# Altium PCB PCB1_1.pcbdoc (part 1 of 3) (continued)
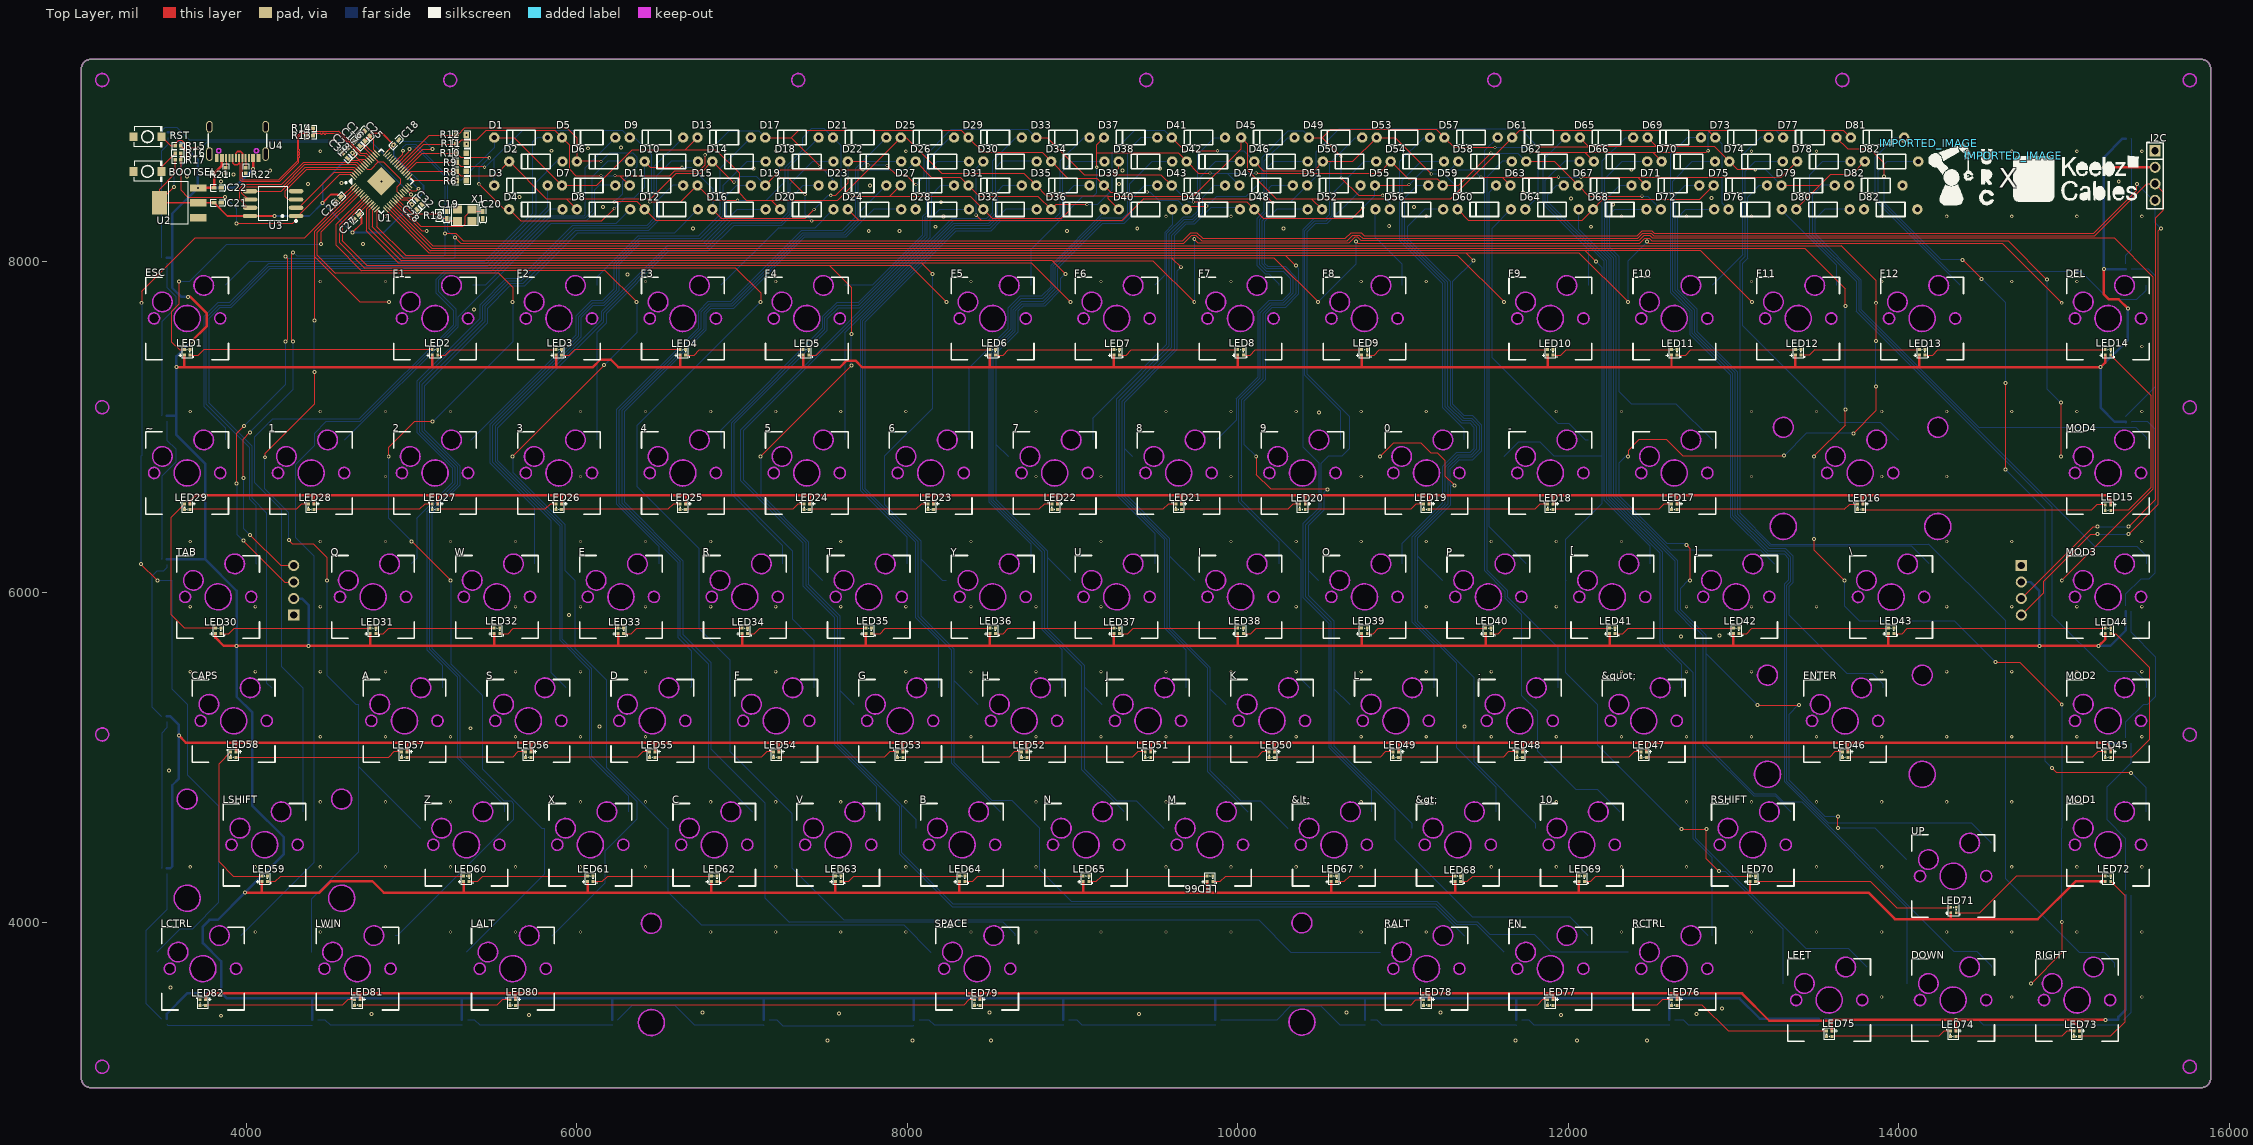
[diagram p0: Top Layer view]
## Components (designator, comment, footprint, x,y, rotation, side; value= is the part's Value field where it differs from the comment) (continued)
E "CHERRY-MX-SW-1U" CHERRY-MX-PCB-1U 6265.9,5970.51 r0 top
ENTER "CHERRY-MX-SW-1U" CHERRY-MX-PCB-1U 13674.55,5220.07 r0 top
ESC "CHERRY-MX-SW-1U" CHERRY-MX-PCB-1U 3640.71,7655.89 r0 top
F "CHERRY-MX-SW-1U" CHERRY-MX-PCB-1U 7205.9,5220.51 r0 top
F1 "CHERRY-MX-SW-1U" CHERRY-MX-PCB-1U 5140.9,7655.51 r0 top
F2 "CHERRY-MX-SW-1U" CHERRY-MX-PCB-1U 5890.9,7655.51 r0 top
F3 "CHERRY-MX-SW-1U" CHERRY-MX-PCB-1U 6640.9,7655.51 r0 top
F4 "CHERRY-MX-SW-1U" CHERRY-MX-PCB-1U 7390.9,7655.51 r0 top
F5 "CHERRY-MX-SW-1U" CHERRY-MX-PCB-1U 8515.91,7655.51 r0 top
F6 "CHERRY-MX-SW-1U" CHERRY-MX-PCB-1U 9265.91,7655.51 r0 top
F7 "CHERRY-MX-SW-1U" CHERRY-MX-PCB-1U 10015.91,7655.51 r0 top
F8 "CHERRY-MX-SW-1U" CHERRY-MX-PCB-1U 10765.91,7655.51 r0 top
F9 "CHERRY-MX-SW-1U" CHERRY-MX-PCB-1U 11890.91,7655.51 r0 top
F10 "CHERRY-MX-SW-1U" CHERRY-MX-PCB-1U 12640.91,7655.51 r0 top
F11 "CHERRY-MX-SW-1U" CHERRY-MX-PCB-1U 13390.91,7655.51 r0 top
F12 "CHERRY-MX-SW-1U" CHERRY-MX-PCB-1U 14140.91,7655.51 r0 top
FN "CHERRY-MX-SW-1U" CHERRY-MX-PCB-1U 11890.91,3720.51 r0 top
G "CHERRY-MX-SW-1U" CHERRY-MX-PCB-1U 7955.9,5220.51 r0 top
H "CHERRY-MX-SW-1U" CHERRY-MX-PCB-1U 8705.91,5220.51 r0 top
I "CHERRY-MX-SW-1U" CHERRY-MX-PCB-1U 10015.91,5970.51 r0 top
I2C "PZ254V-11-04P" HDR-TH_4P-P2.54-V-M 4285.9,6010.51 r90 bottom
I2C "PZ254V-11-04P" HDR-TH_4P-P2.54-V-M 15550.91,8520.51 r270 top
I2C "PZ254V-11-04P" HDR-TH_4P-P2.54-V-M 14740.91,6010.51 r270 bottom
IMPORTED_IMAGE "IMPORTED_IMAGE" IMPORTED_IMAGE 14180.91,8715.51 r0 top
IMPORTED_IMAGE "IMPORTED_IMAGE" IMPORTED_IMAGE 14690.91,8640.51 r0 top
J "CHERRY-MX-SW-1U" CHERRY-MX-PCB-1U 9455.91,5220.51 r0 top
K "CHERRY-MX-SW-1U" CHERRY-MX-PCB-1U 10205.91,5220.51 r0 top
L "CHERRY-MX-SW-1U" CHERRY-MX-PCB-1U 10955.91,5220.51 r0 top
LALT "CHERRY-MX-SW-1U" CHERRY-MX-PCB-1U 5611.57,3720.47 r0 top
LCTRL "CHERRY-MX-SW-1U" CHERRY-MX-PCB-1U 3736.38,3720.31 r0 top
LED1 "XL-1010RGBC-WS2812B" LED-SMD_4P-L1.0-W1.0-TL_XL-1010RGBC-WS2812B 3640.91,7450.51 r180 top
LED2 "XL-1010RGBC-WS2812B" LED-SMD_4P-L1.0-W1.0-TL_XL-1010RGBC-WS2812B 5140.9,7450.51 r180 top
LED3 "XL-1010RGBC-WS2812B" LED-SMD_4P-L1.0-W1.0-TL_XL-1010RGBC-WS2812B 5890.9,7450.51 r180 top
LED4 "XL-1010RGBC-WS2812B" LED-SMD_4P-L1.0-W1.0-TL_XL-1010RGBC-WS2812B 6640.9,7450.51 r180 top
LED5 "XL-1010RGBC-WS2812B" LED-SMD_4P-L1.0-W1.0-TL_XL-1010RGBC-WS2812B 7385.9,7450.51 r180 top
LED6 "XL-1010RGBC-WS2812B" LED-SMD_4P-L1.0-W1.0-TL_XL-1010RGBC-WS2812B 8515.91,7450.51 r180 top
LED7 "XL-1010RGBC-WS2812B" LED-SMD_4P-L1.0-W1.0-TL_XL-1010RGBC-WS2812B 9265.91,7450.51 r180 top
LED8 "XL-1010RGBC-WS2812B" LED-SMD_4P-L1.0-W1.0-TL_XL-1010RGBC-WS2812B 10015.91,7450.51 r180 top
LED9 "XL-1010RGBC-WS2812B" LED-SMD_4P-L1.0-W1.0-TL_XL-1010RGBC-WS2812B 10765.91,7450.51 r180 top
LED10 "XL-1010RGBC-WS2812B" LED-SMD_4P-L1.0-W1.0-TL_XL-1010RGBC-WS2812B 11890.91,7450.51 r180 top
LED11 "XL-1010RGBC-WS2812B" LED-SMD_4P-L1.0-W1.0-TL_XL-1010RGBC-WS2812B 12640.91,7450.51 r180 top
LED12 "XL-1010RGBC-WS2812B" LED-SMD_4P-L1.0-W1.0-TL_XL-1010RGBC-WS2812B 13390.91,7450.51 r180 top
LED13 "XL-1010RGBC-WS2812B" LED-SMD_4P-L1.0-W1.0-TL_XL-1010RGBC-WS2812B 14140.91,7450.51 r180 top
LED14 "XL-1010RGBC-WS2812B" LED-SMD_4P-L1.0-W1.0-TL_XL-1010RGBC-WS2812B 15265.91,7450.51 r180 top
LED15 "XL-1010RGBC-WS2812B" LED-SMD_4P-L1.0-W1.0-TL_XL-1010RGBC-WS2812B 15265.91,6510.51 r0 top
LED16 "XL-1010RGBC-WS2812B" LED-SMD_4P-L1.0-W1.0-TL_XL-1010RGBC-WS2812B 13765.91,6515.51 r0 top
LED17 "XL-1010RGBC-WS2812B" LED-SMD_4P-L1.0-W1.0-TL_XL-1010RGBC-WS2812B 12640.91,6515.51 r0 top
LED18 "XL-1010RGBC-WS2812B" LED-SMD_4P-L1.0-W1.0-TL_XL-1010RGBC-WS2812B 11890.91,6515.51 r0 top
LED19 "XL-1010RGBC-WS2812B" LED-SMD_4P-L1.0-W1.0-TL_XL-1010RGBC-WS2812B 11140.91,6515.51 r0 top
LED20 "XL-1010RGBC-WS2812B" LED-SMD_4P-L1.0-W1.0-TL_XL-1010RGBC-WS2812B 10390.91,6515.51 r0 top
LED21 "XL-1010RGBC-WS2812B" LED-SMD_4P-L1.0-W1.0-TL_XL-1010RGBC-WS2812B 9640.91,6515.51 r0 top
LED22 "XL-1010RGBC-WS2812B" LED-SMD_4P-L1.0-W1.0-TL_XL-1010RGBC-WS2812B 8890.91,6515.51 r0 top
LED23 "XL-1010RGBC-WS2812B" LED-SMD_4P-L1.0-W1.0-TL_XL-1010RGBC-WS2812B 8140.9,6515.51 r0 top
LED24 "XL-1010RGBC-WS2812B" LED-SMD_4P-L1.0-W1.0-TL_XL-1010RGBC-WS2812B 7390.9,6515.51 r0 top
LED25 "XL-1010RGBC-WS2812B" LED-SMD_4P-L1.0-W1.0-TL_XL-1010RGBC-WS2812B 6640.9,6515.51 r0 top
LED26 "XL-1010RGBC-WS2812B" LED-SMD_4P-L1.0-W1.0-TL_XL-1010RGBC-WS2812B 5890.9,6515.51 r0 top
LED27 "XL-1010RGBC-WS2812B" LED-SMD_4P-L1.0-W1.0-TL_XL-1010RGBC-WS2812B 5140.9,6515.51 r0 top
LED28 "XL-1010RGBC-WS2812B" LED-SMD_4P-L1.0-W1.0-TL_XL-1010RGBC-WS2812B 4390.9,6515.51 r0 top
LED29 "XL-1010RGBC-WS2812B" LED-SMD_4P-L1.0-W1.0-TL_XL-1010RGBC-WS2812B 3640.91,6515.51 r0 top
LED30 "XL-1010RGBC-WS2812B" LED-SMD_4P-L1.0-W1.0-TL_XL-1010RGBC-WS2812B 3828.6,5765.51 r180 top
LED31 "XL-1010RGBC-WS2812B" LED-SMD_4P-L1.0-W1.0-TL_XL-1010RGBC-WS2812B 4765.9,5765.51 r180 top
LED32 "XL-1010RGBC-WS2812B" LED-SMD_4P-L1.0-W1.0-TL_XL-1010RGBC-WS2812B 5515.9,5765.51 r180 top
LED33 "XL-1010RGBC-WS2812B" LED-SMD_4P-L1.0-W1.0-TL_XL-1010RGBC-WS2812B 6265.9,5765.51 r180 top
LED34 "XL-1010RGBC-WS2812B" LED-SMD_4P-L1.0-W1.0-TL_XL-1010RGBC-WS2812B 7015.9,5765.51 r180 top
LED35 "XL-1010RGBC-WS2812B" LED-SMD_4P-L1.0-W1.0-TL_XL-1010RGBC-WS2812B 7765.9,5765.51 r180 top
LED36 "XL-1010RGBC-WS2812B" LED-SMD_4P-L1.0-W1.0-TL_XL-1010RGBC-WS2812B 8515.91,5765.51 r180 top
LED37 "XL-1010RGBC-WS2812B" LED-SMD_4P-L1.0-W1.0-TL_XL-1010RGBC-WS2812B 9265.91,5765.51 r180 top
LED38 "XL-1010RGBC-WS2812B" LED-SMD_4P-L1.0-W1.0-TL_XL-1010RGBC-WS2812B 10015.91,5765.51 r180 top
LED39 "XL-1010RGBC-WS2812B" LED-SMD_4P-L1.0-W1.0-TL_XL-1010RGBC-WS2812B 10765.91,5765.51 r180 top
LED40 "XL-1010RGBC-WS2812B" LED-SMD_4P-L1.0-W1.0-TL_XL-1010RGBC-WS2812B 11515.91,5765.51 r180 top
LED41 "XL-1010RGBC-WS2812B" LED-SMD_4P-L1.0-W1.0-TL_XL-1010RGBC-WS2812B 12265.91,5765.51 r180 top
LED42 "XL-1010RGBC-WS2812B" LED-SMD_4P-L1.0-W1.0-TL_XL-1010RGBC-WS2812B 13015.91,5765.51 r180 top
LED43 "XL-1010RGBC-WS2812B" LED-SMD_4P-L1.0-W1.0-TL_XL-1010RGBC-WS2812B 13952.85,5765.51 r180 top
LED44 "XL-1010RGBC-WS2812B" LED-SMD_4P-L1.0-W1.0-TL_XL-1010RGBC-WS2812B 15265.91,5765.51 r180 top
LED45 "XL-1010RGBC-WS2812B" LED-SMD_4P-L1.0-W1.0-TL_XL-1010RGBC-WS2812B 15265.91,5015.51 r0 top
LED46 "XL-1010RGBC-WS2812B" LED-SMD_4P-L1.0-W1.0-TL_XL-1010RGBC-WS2812B 13674.59,5015.51 r0 top
LED47 "XL-1010RGBC-WS2812B" LED-SMD_4P-L1.0-W1.0-TL_XL-1010RGBC-WS2812B 12455.91,5015.51 r0 top
LED48 "XL-1010RGBC-WS2812B" LED-SMD_4P-L1.0-W1.0-TL_XL-1010RGBC-WS2812B 11705.91,5015.51 r0 top
LED49 "XL-1010RGBC-WS2812B" LED-SMD_4P-L1.0-W1.0-TL_XL-1010RGBC-WS2812B 10955.91,5015.51 r0 top
LED50 "XL-1010RGBC-WS2812B" LED-SMD_4P-L1.0-W1.0-TL_XL-1010RGBC-WS2812B 10205.91,5015.51 r0 top
LED51 "XL-1010RGBC-WS2812B" LED-SMD_4P-L1.0-W1.0-TL_XL-1010RGBC-WS2812B 9455.91,5015.51 r0 top
LED52 "XL-1010RGBC-WS2812B" LED-SMD_4P-L1.0-W1.0-TL_XL-1010RGBC-WS2812B 8705.91,5015.51 r0 top
LED53 "XL-1010RGBC-WS2812B" LED-SMD_4P-L1.0-W1.0-TL_XL-1010RGBC-WS2812B 7955.9,5015.51 r0 top
LED54 "XL-1010RGBC-WS2812B" LED-SMD_4P-L1.0-W1.0-TL_XL-1010RGBC-WS2812B 7205.9,5015.51 r0 top
LED55 "XL-1010RGBC-WS2812B" LED-SMD_4P-L1.0-W1.0-TL_XL-1010RGBC-WS2812B 6455.9,5015.51 r0 top
LED56 "XL-1010RGBC-WS2812B" LED-SMD_4P-L1.0-W1.0-TL_XL-1010RGBC-WS2812B 5705.9,5015.51 r0 top
LED57 "XL-1010RGBC-WS2812B" LED-SMD_4P-L1.0-W1.0-TL_XL-1010RGBC-WS2812B 4955.9,5015.51 r0 top
LED58 "XL-1010RGBC-WS2812B" LED-SMD_4P-L1.0-W1.0-TL_XL-1010RGBC-WS2812B 3920.91,5015.51 r0 top
LED59 "XL-1010RGBC-WS2812B" LED-SMD_4P-L1.0-W1.0-TL_XL-1010RGBC-WS2812B 4109.59,4265.51 r180 top
LED60 "XL-1010RGBC-WS2812B" LED-SMD_4P-L1.0-W1.0-TL_XL-1010RGBC-WS2812B 5330.9,4265.51 r180 top
LED61 "XL-1010RGBC-WS2812B" LED-SMD_4P-L1.0-W1.0-TL_XL-1010RGBC-WS2812B 6080.9,4265.51 r180 top
LED62 "XL-1010RGBC-WS2812B" LED-SMD_4P-L1.0-W1.0-TL_XL-1010RGBC-WS2812B 6830.9,4265.51 r180 top
LED63 "XL-1010RGBC-WS2812B" LED-SMD_4P-L1.0-W1.0-TL_XL-1010RGBC-WS2812B 7580.9,4265.51 r180 top
LED64 "XL-1010RGBC-WS2812B" LED-SMD_4P-L1.0-W1.0-TL_XL-1010RGBC-WS2812B 8330.91,4265.51 r180 top
LED65 "XL-1010RGBC-WS2812B" LED-SMD_4P-L1.0-W1.0-TL_XL-1010RGBC-WS2812B 9080.91,4265.51 r180 top
LED66 "XL-1010RGBC-WS2812B" LED-SMD_4P-L1.0-W1.0-TL_XL-1010RGBC-WS2812B 9830.91,4265.51 r180 top
LED67 "XL-1010RGBC-WS2812B" LED-SMD_4P-L1.0-W1.0-TL_XL-1010RGBC-WS2812B 10580.91,4265.51 r180 top
LED68 "XL-1010RGBC-WS2812B" LED-SMD_4P-L1.0-W1.0-TL_XL-1010RGBC-WS2812B 11330.91,4265.51 r180 top
LED69 "XL-1010RGBC-WS2812B" LED-SMD_4P-L1.0-W1.0-TL_XL-1010RGBC-WS2812B 12080.91,4265.51 r180 top
LED70 "XL-1010RGBC-WS2812B" LED-SMD_4P-L1.0-W1.0-TL_XL-1010RGBC-WS2812B 13115.91,4265.51 r180 top
LED71 "XL-1010RGBC-WS2812B" LED-SMD_4P-L1.0-W1.0-TL_XL-1010RGBC-WS2812B 14330.91,4075.51 r180 top
LED72 "XL-1010RGBC-WS2812B" LED-SMD_4P-L1.0-W1.0-TL_XL-1010RGBC-WS2812B 15265.91,4265.51 r180 top
LED73 "XL-1010RGBC-WS2812B" LED-SMD_4P-L1.0-W1.0-TL_XL-1010RGBC-WS2812B 15075.91,3325.51 r0 top
LED74 "XL-1010RGBC-WS2812B" LED-SMD_4P-L1.0-W1.0-TL_XL-1010RGBC-WS2812B 14328.45,3325.51 r0 top
LED75 "XL-1010RGBC-WS2812B" LED-SMD_4P-L1.0-W1.0-TL_XL-1010RGBC-WS2812B 13578.62,3325.51 r0 top
LED76 "XL-1010RGBC-WS2812B" LED-SMD_4P-L1.0-W1.0-TL_XL-1010RGBC-WS2812B 12640.91,3515.51 r0 top
LED77 "XL-1010RGBC-WS2812B" LED-SMD_4P-L1.0-W1.0-TL_XL-1010RGBC-WS2812B 11890.91,3515.51 r0 top
LED78 "XL-1010RGBC-WS2812B" LED-SMD_4P-L1.0-W1.0-TL_XL-1010RGBC-WS2812B 11140.91,3515.51 r0 top
LED79 "XL-1010RGBC-WS2812B" LED-SMD_4P-L1.0-W1.0-TL_XL-1010RGBC-WS2812B 8422.15,3515.51 r0 top
LED80 "XL-1010RGBC-WS2812B" LED-SMD_4P-L1.0-W1.0-TL_XL-1010RGBC-WS2812B 5610.9,3515.51 r0 top
LED81 "XL-1010RGBC-WS2812B" LED-SMD_4P-L1.0-W1.0-TL_XL-1010RGBC-WS2812B 4670.9,3515.51 r0 top
LED82 "XL-1010RGBC-WS2812B" LED-SMD_4P-L1.0-W1.0-TL_XL-1010RGBC-WS2812B 3735.91,3515.51 r0 top
LED83 "XL-1010RGBC-WS2812B" LED-SMD_4P-L1.0-W1.0-TL_XL-1010RGBC-WS2812B 3505.91,8765.51 r90 bottom
LED84 "XL-1010RGBC-WS2812B" LED-SMD_4P-L1.0-W1.0-TL_XL-1010RGBC-WS2812B 3500.91,8005.51 r90 bottom
LED85 "XL-1010RGBC-WS2812B" LED-SMD_4P-L1.0-W1.0-TL_XL-1010RGBC-WS2812B 3500.91,7050.51 r90 bottom
LED86 "XL-1010RGBC-WS2812B" LED-SMD_4P-L1.0-W1.0-TL_XL-1010RGBC-WS2812B 3500.91,6180.51 r90 bottom
LED87 "XL-1010RGBC-WS2812B" LED-SMD_4P-L1.0-W1.0-TL_XL-1010RGBC-WS2812B 3500.91,5230.51 r90 bottom
LED88 "XL-1010RGBC-WS2812B" LED-SMD_4P-L1.0-W1.0-TL_XL-1010RGBC-WS2812B 3500.91,4310.51 r90 bottom
LED89 "XL-1010RGBC-WS2812B" LED-SMD_4P-L1.0-W1.0-TL_XL-1010RGBC-WS2812B 3500.91,3400.51 r90 bottom
LED90 "XL-1010RGBC-WS2812B" LED-SMD_4P-L1.0-W1.0-TL_XL-1010RGBC-WS2812B 4415.9,3395.51 r180 bottom
LED91 "XL-1010RGBC-WS2812B" LED-SMD_4P-L1.0-W1.0-TL_XL-1010RGBC-WS2812B 5320.9,3395.51 r180 bottom
LED92 "XL-1010RGBC-WS2812B" LED-SMD_4P-L1.0-W1.0-TL_XL-1010RGBC-WS2812B 6230.9,3395.51 r180 bottom
LED93 "XL-1010RGBC-WS2812B" LED-SMD_4P-L1.0-W1.0-TL_XL-1010RGBC-WS2812B 7145.9,3395.51 r180 bottom
LED94 "XL-1010RGBC-WS2812B" LED-SMD_4P-L1.0-W1.0-TL_XL-1010RGBC-WS2812B 8055.9,3395.51 r180 bottom
LED95 "XL-1010RGBC-WS2812B" LED-SMD_4P-L1.0-W1.0-TL_XL-1010RGBC-WS2812B 8960.91,3395.51 r180 bottom
LED96 "XL-1010RGBC-WS2812B" LED-SMD_4P-L1.0-W1.0-TL_XL-1010RGBC-WS2812B 9880.91,3395.51 r180 bottom
LED97 "XL-1010RGBC-WS2812B" LED-SMD_4P-L1.0-W1.0-TL_XL-1010RGBC-WS2812B 10785.91,3395.51 r180 bottom
LED98 "XL-1010RGBC-WS2812B" LED-SMD_4P-L1.0-W1.0-TL_XL-1010RGBC-WS2812B 11700.91,3395.51 r180 bottom
LED99 "XL-1010RGBC-WS2812B" LED-SMD_4P-L1.0-W1.0-TL_XL-1010RGBC-WS2812B 12627.89,3395.51 r180 bottom
LED100 "XL-1010RGBC-WS2812B" LED-SMD_4P-L1.0-W1.0-TL_XL-1010RGBC-WS2812B 13532.89,3400.51 r180 bottom
LED101 "XL-1010RGBC-WS2812B" LED-SMD_4P-L1.0-W1.0-TL_XL-1010RGBC-WS2812B 14423.92,3395.51 r180 bottom
LED102 "XL-1010RGBC-WS2812B" LED-SMD_4P-L1.0-W1.0-TL_XL-1010RGBC-WS2812B 15345.91,3395.51 r180 bottom
LED103 "XL-1010RGBC-WS2812B" LED-SMD_4P-L1.0-W1.0-TL_XL-1010RGBC-WS2812B 15390.91,4180.51 r270 bottom
LED104 "XL-1010RGBC-WS2812B" LED-SMD_4P-L1.0-W1.0-TL_XL-1010RGBC-WS2812B 15390.91,5100.51 r270 bottom
LED105 "XL-1010RGBC-WS2812B" LED-SMD_4P-L1.0-W1.0-TL_XL-1010RGBC-WS2812B 15390.91,5900.51 r270 bottom
LED106 "XL-1010RGBC-WS2812B" LED-SMD_4P-L1.0-W1.0-TL_XL-1010RGBC-WS2812B 15390.91,7045.51 r270 bottom
LED107 "XL-1010RGBC-WS2812B" LED-SMD_4P-L1.0-W1.0-TL_XL-1010RGBC-WS2812B 15390.91,7970.51 r270 bottom
LED108 "XL-1010RGBC-WS2812B" LED-SMD_4P-L1.0-W1.0-TL_XL-1010RGBC-WS2812B 15390.91,8760.51 r270 bottom
LEFT "CHERRY-MX-SW-1U" CHERRY-MX-PCB-1U 13578.48,3530.71 r0 top
LSHIFT "CHERRY-MX-SW-1U" CHERRY-MX-PCB-1U 4109.6,4470.47 r0 top
LWIN "CHERRY-MX-SW-1U" CHERRY-MX-PCB-1U 4671.81,3720.47 r0 top
M "CHERRY-MX-SW-1U" CHERRY-MX-PCB-1U 9830.91,4470.51 r0 top
MOD1 "CHERRY-MX-SW-1U" CHERRY-MX-PCB-1U 15265.91,4470.51 r0 top
MOD2 "CHERRY-MX-SW-1U" CHERRY-MX-PCB-1U 15265.91,5220.51 r0 top
MOD3 "CHERRY-MX-SW-1U" CHERRY-MX-PCB-1U 15265.91,5970.51 r0 top
MOD4 "CHERRY-MX-SW-1U" CHERRY-MX-PCB-1U 15265.91,6720.51 r0 top
N "CHERRY-MX-SW-1U" CHERRY-MX-PCB-1U 9080.91,4470.51 r0 top
O "CHERRY-MX-SW-1U" CHERRY-MX-PCB-1U 10765.91,5970.51 r0 top
P "CHERRY-MX-SW-1U" CHERRY-MX-PCB-1U 11515.91,5970.51 r0 top
Q "CHERRY-MX-SW-1U" CHERRY-MX-PCB-1U 4765.9,5970.51 r0 top
R "CHERRY-MX-SW-1U" CHERRY-MX-PCB-1U 7015.9,5970.51 r0 top
R6 "RC0603FR-0710KL" R0603 5300.9,8490.51 r180 top
R8 "RC0603FR-0710KL" R0603 5300.9,8545.51 r180 top
R9 "RC0603FR-0710KL" R0603 5300.9,8600.51 r180 top
R10 "RC0603FR-0710KL" R0603 5300.9,8655.51 r180 top
R11 "RC0603FR-0710KL" R0603 5300.9,8710.51 r180 top
R12 "RC0603FR-0710KL" R0603 5300.9,8765.51 r180 top
R13 "0402WGF220JTCE" R0402 4385.9,8760.51 r180 top
R14 "0402WGF220JTCE" R0402 4385.9,8805.51 r180 top
R15 "0402WGF1001TCE" R0402 3585.91,8700.51 r180 top
R16 "0402WGF1001TCE" R0402 3585.91,8655.51 r0 top
R17 "0402WGF1002TCE" R0402 3585.91,8615.51 r180 top
R18 "0402WGF1001TCE" R0402 5165.9,8280.51 r270 top
R21 "0402WGF5101TCE" R0402 3875.91,8550.51 r90 top
R22 "0402WGF5101TCE" R0402 3995.91,8550.51 r90 top
RALT "CHERRY-MX-SW-1U" CHERRY-MX-PCB-1U 11140.91,3720.51 r0 top
RCTRL "CHERRY-MX-SW-1U" CHERRY-MX-PCB-1U 12640.91,3720.51 r0 top
RIGHT "CHERRY-MX-SW-1U" CHERRY-MX-PCB-1U 15078.48,3530.71 r0 top
RSHIFT "CHERRY-MX-SW-1U" CHERRY-MX-PCB-1U 13115.91,4470.51 r0 top
RST "TS-1088-AR02016" SW-SMD_L3.9-W3.0-P4.45 3400.91,8755.51 r0 top
S "CHERRY-MX-SW-1U" CHERRY-MX-PCB-1U 5705.9,5220.51 r0 top
SPACE "CHERRY-MX-SW-1U" CHERRY-MX-PCB-1U 8422.19,3720.47 r0 top
SW1 "SW-5" SW-SMD_KAILH-SOCKET_C9900019772 3897.4,5370.51 r0 bottom
SW2 "SW-5" SW-SMD_KAILH-SOCKET_C9900019772 3615.91,7805.51 r0 bottom
SW3 "SW-5" SW-SMD_KAILH-SOCKET_C9900019772 5115.9,7805.51 r0 bottom
SW4 "SW-5" SW-SMD_KAILH-SOCKET_C9900019772 5865.9,7805.51 r0 bottom
SW5 "SW-5" SW-SMD_KAILH-SOCKET_C9900019772 6615.9,7805.51 r0 bottom
SW6 "SW-5" SW-SMD_KAILH-SOCKET_C9900019772 7365.9,7805.51 r0 bottom
SW7 "SW-5" SW-SMD_KAILH-SOCKET_C9900019772 8490.91,7805.51 r0 bottom
SW8 "SW-5" SW-SMD_KAILH-SOCKET_C9900019772 9240.91,7805.51 r0 bottom
SW9 "SW-5" SW-SMD_KAILH-SOCKET_C9900019772 9990.91,7805.51 r0 bottom
SW10 "SW-5" SW-SMD_KAILH-SOCKET_C9900019772 10740.91,7805.51 r0 bottom
SW11 "SW-5" SW-SMD_KAILH-SOCKET_C9900019772 11865.91,7805.51 r0 bottom
SW12 "SW-5" SW-SMD_KAILH-SOCKET_C9900019772 12615.91,7805.51 r0 bottom
SW13 "SW-5" SW-SMD_KAILH-SOCKET_C9900019772 13365.91,7805.51 r0 bottom
SW14 "SW-5" SW-SMD_KAILH-SOCKET_C9900019772 14115.91,7805.51 r0 bottom
SW15 "SW-5" SW-SMD_KAILH-SOCKET_C9900019772 3615.91,6870.51 r0 bottom
SW16 "SW-5" SW-SMD_KAILH-SOCKET_C9900019772 4365.9,6870.51 r0 bottom
SW17 "SW-5" SW-SMD_KAILH-SOCKET_C9900019772 5115.9,6870.51 r0 bottom
SW18 "SW-5" SW-SMD_KAILH-SOCKET_C9900019772 5865.9,6870.51 r0 bottom
SW19 "SW-5" SW-SMD_KAILH-SOCKET_C9900019772 6615.9,6870.51 r0 bottom
SW20 "SW-5" SW-SMD_KAILH-SOCKET_C9900019772 7365.9,6870.51 r0 bottom
SW21 "SW-5" SW-SMD_KAILH-SOCKET_C9900019772 8115.9,6870.51 r0 bottom
SW22 "SW-5" SW-SMD_KAILH-SOCKET_C9900019772 8865.91,6870.51 r0 bottom
SW23 "SW-5" SW-SMD_KAILH-SOCKET_C9900019772 9615.91,6870.51 r0 bottom
SW24 "SW-5" SW-SMD_KAILH-SOCKET_C9900019772 10365.91,6870.51 r0 bottom
SW25 "SW-5" SW-SMD_KAILH-SOCKET_C9900019772 11115.91,6870.51 r0 bottom
SW26 "SW-5" SW-SMD_KAILH-SOCKET_C9900019772 11865.91,6870.51 r0 bottom
SW27 "SW-5" SW-SMD_KAILH-SOCKET_C9900019772 12615.91,6870.51 r0 bottom
SW28 "SW-5" SW-SMD_KAILH-SOCKET_C9900019772 13740.91,6870.51 r0 bottom
SW29 "SW-5" SW-SMD_KAILH-SOCKET_C9900019772 3803.31,6120.51 r0 bottom
SW30 "SW-5" SW-SMD_KAILH-SOCKET_C9900019772 4740.9,6120.51 r0 bottom
SW31 "SW-5" SW-SMD_KAILH-SOCKET_C9900019772 5490.9,6120.51 r0 bottom
SW32 "SW-5" SW-SMD_KAILH-SOCKET_C9900019772 6240.9,6120.51 r0 bottom
SW33 "SW-5" SW-SMD_KAILH-SOCKET_C9900019772 6990.9,6120.51 r0 bottom
SW34 "SW-5" SW-SMD_KAILH-SOCKET_C9900019772 7740.9,6120.51 r0 bottom
SW35 "SW-5" SW-SMD_KAILH-SOCKET_C9900019772 8490.91,6120.51 r0 bottom
SW36 "SW-5" SW-SMD_KAILH-SOCKET_C9900019772 9240.91,6120.51 r0 bottom
SW37 "SW-5" SW-SMD_KAILH-SOCKET_C9900019772 9990.91,6120.51 r0 bottom
SW38 "SW-5" SW-SMD_KAILH-SOCKET_C9900019772 10740.91,6120.51 r0 bottom
SW39 "SW-5" SW-SMD_KAILH-SOCKET_C9900019772 11490.91,6120.51 r0 bottom
SW40 "SW-5" SW-SMD_KAILH-SOCKET_C9900019772 12240.91,6120.51 r0 bottom
SW41 "SW-5" SW-SMD_KAILH-SOCKET_C9900019772 12990.91,6120.51 r0 bottom
SW42 "SW-5" SW-SMD_KAILH-SOCKET_C9900019772 13928.11,6120.08 r0 bottom
SW43 "SW-5" SW-SMD_KAILH-SOCKET_C9900019772 4930.9,5370.51 r0 bottom
SW44 "SW-5" SW-SMD_KAILH-SOCKET_C9900019772 5680.9,5370.51 r0 bottom
SW45 "SW-5" SW-SMD_KAILH-SOCKET_C9900019772 6430.9,5370.51 r0 bottom
SW46 "SW-5" SW-SMD_KAILH-SOCKET_C9900019772 7180.9,5370.51 r0 bottom
SW47 "SW-5" SW-SMD_KAILH-SOCKET_C9900019772 7930.9,5370.51 r0 bottom
SW48 "SW-5" SW-SMD_KAILH-SOCKET_C9900019772 8680.91,5370.51 r0 bottom
SW49 "SW-5" SW-SMD_KAILH-SOCKET_C9900019772 9430.91,5370.51 r0 bottom
SW50 "SW-5" SW-SMD_KAILH-SOCKET_C9900019772 10180.91,5370.51 r0 bottom
SW51 "SW-5" SW-SMD_KAILH-SOCKET_C9900019772 10930.91,5370.51 r0 bottom
SW52 "SW-5" SW-SMD_KAILH-SOCKET_C9900019772 11680.91,5370.51 r0 bottom
SW53 "SW-5" SW-SMD_KAILH-SOCKET_C9900019772 12430.91,5370.51 r0 bottom
SW54 "SW-5" SW-SMD_KAILH-SOCKET_C9900019772 13649.43,5369.77 r0 bottom
SW55 "SW-5" SW-SMD_KAILH-SOCKET_C9900019772 15240.91,5370.51 r0 bottom
SW56 "SW-5" SW-SMD_KAILH-SOCKET_C9900019772 4084.57,4620.51 r0 bottom
SW57 "SW-5" SW-SMD_KAILH-SOCKET_C9900019772 5305.9,4620.51 r0 bottom
SW58 "SW-5" SW-SMD_KAILH-SOCKET_C9900019772 6055.9,4620.51 r0 bottom
SW59 "SW-5" SW-SMD_KAILH-SOCKET_C9900019772 6805.9,4620.51 r0 bottom
SW60 "SW-5" SW-SMD_KAILH-SOCKET_C9900019772 7555.9,4620.51 r0 bottom
SW61 "SW-5" SW-SMD_KAILH-SOCKET_C9900019772 8305.91,4620.51 r0 bottom
SW62 "SW-5" SW-SMD_KAILH-SOCKET_C9900019772 9055.91,4620.51 r0 bottom
SW63 "SW-5" SW-SMD_KAILH-SOCKET_C9900019772 9805.91,4620.51 r0 bottom
SW64 "SW-5" SW-SMD_KAILH-SOCKET_C9900019772 10555.91,4620.51 r0 bottom
SW65 "SW-5" SW-SMD_KAILH-SOCKET_C9900019772 11305.91,4620.51 r0 bottom
SW66 "SW-5" SW-SMD_KAILH-SOCKET_C9900019772 12055.91,4620.51 r0 bottom
SW67 "SW-5" SW-SMD_KAILH-SOCKET_C9900019772 13090.91,4620.51 r0 bottom
SW68 "SW-5" SW-SMD_KAILH-SOCKET_C9900019772 14303.47,4430.51 r0 bottom
SW69 "SW-5" SW-SMD_KAILH-SOCKET_C9900019772 15240.91,4620.51 r0 bottom
SW70 "SW-5" SW-SMD_KAILH-SOCKET_C9900019772 3710.91,3870.51 r0 bottom
SW71 "SW-5" SW-SMD_KAILH-SOCKET_C9900019772 4645.9,3870.51 r0 bottom
SW72 "SW-5" SW-SMD_KAILH-SOCKET_C9900019772 5585.9,3870.51 r0 bottom
SW73 "SW-5" SW-SMD_KAILH-SOCKET_C9900019772 8397.1,3870.51 r0 bottom
SW74 "SW-5" SW-SMD_KAILH-SOCKET_C9900019772 11115.91,3870.51 r0 bottom
SW75 "SW-5" SW-SMD_KAILH-SOCKET_C9900019772 11865.91,3870.51 r0 bottom
SW76 "SW-5" SW-SMD_KAILH-SOCKET_C9900019772 12615.91,3870.51 r0 bottom
SW77 "SW-5" SW-SMD_KAILH-SOCKET_C9900019772 15240.91,6120.51 r0 bottom
SW78 "SW-5" SW-SMD_KAILH-SOCKET_C9900019772 15240.91,6870.51 r0 bottom
SW79 "SW-5" SW-SMD_KAILH-SOCKET_C9900019772 15240.91,7805.51 r0 bottom
SW80 "SW-5" SW-SMD_KAILH-SOCKET_C9900019772 14303.3,3680.51 r0 bottom
SW81 "SW-5" SW-SMD_KAILH-SOCKET_C9900019772 15053.21,3680.51 r0 bottom
SW82 "SW-5" SW-SMD_KAILH-SOCKET_C9900019772 13553.21,3680.51 r0 bottom
T "CHERRY-MX-SW-1U" CHERRY-MX-PCB-1U 7765.9,5970.51 r0 top
TAB "CHERRY-MX-SW-1U" CHERRY-MX-PCB-1U 3828.5,5970.47 r0 top
U "CHERRY-MX-SW-1U" CHERRY-MX-PCB-1U 9265.91,5970.51 r0 top
U1 "RP2040_C2040" LQFN-56_L7.0-W7.0-P0.4-EP 4815.91,8485.51 r45 top
U2 "AMS1117-3.3_C6186" SOT-223-3_L6.5-W3.4-P2.30-LS7.0-BR 3590.91,8355.51 r0 top
U3 "W25Q128JVSIQ" SOIC-8_L5.3-W5.3-P1.27-LS8.0-BL 4160.9,8350.51 r90 top
U4 "GT-USB-7010ASV" USB-C-SMD_G-SWITCH_GT-USB-7010ASV 3945.91,8720.51 r180 top
UP "CHERRY-MX-SW-1U" CHERRY-MX-PCB-1U 14328.48,4280.7 r0 top
V "CHERRY-MX-SW-1U" CHERRY-MX-PCB-1U 7580.9,4470.51 r0 top
W "CHERRY-MX-SW-1U" CHERRY-MX-PCB-1U 5515.9,5970.51 r0 top
X "CHERRY-MX-SW-1U" CHERRY-MX-PCB-1U 6080.9,4470.51 r0 top
X1 "X322512MSB4SI" OSC-SMD_4P-L3.2-W2.5-BL 5320.9,8280.51 r180 top
Y "CHERRY-MX-SW-1U" CHERRY-MX-PCB-1U 8515.91,5970.51 r0 top
Z "CHERRY-MX-SW-1U" CHERRY-MX-PCB-1U 5330.9,4470.51 r0 top
~ "CHERRY-MX-SW-1U" CHERRY-MX-PCB-1U 3640.91,6720.51 r0 top
? "CHERRY-MX-SW-1U" CHERRY-MX-PCB-1U 12640.91,6720.51 r0 top

## Footprints (in the part's own frame and the unit in brackets; to place one, negate y for a bottom-side part, rotate by r counter-clockwise, add the part's x,y. Pads: shape width x height; smd on the part's side, far side on the other; paste and mask are expansions set on the pad)
C0402 [mm]
  rect 0.79x0.54 smd: 1(-0.545,0) 2(0.545,0)
  silkscreen extent -1.17,-0.5 1.17,0.5
CHERRY-MX-PCB-1U [mil]
  Board Outline Layer circle w1: c-200,0 r33.5
  Board Outline Layer circle w1: c200,0 r33.5
  Board Outline Layer circle w10: c-200,0 r33.5
  Board Outline Layer circle w10: c200,0 r33.5
  Multi-Layer board cut-out: -166.5,0 -171.12,16.58 -183.37,28.67 -200,33.09 -216.63,28.67 -228.87,16.58 -233.49,0 -233.5,0 -228.87,-16.58 -216.63,-28.67 -200,-33.09 -183.37,-28.67 -171.12,-16.58 -166.5,0
  Multi-Layer board cut-out: 233.5,0 228.88,16.58 216.63,28.67 200,33.09 183.37,28.67 171.13,16.58 166.51,0 166.5,0 171.13,-16.58 183.37,-28.67 200,-33.09 216.63,-28.67 228.88,-16.58 233.5,0
  silkscreen extent -250,-250 250,250
DO-35_BD2.0-L4.2-P8.20-D0.5-RD [mm]
  round 1.6 hole 0.8: 1(-4.1,0) 2(4.1,0)
  silkscreen extent -2.2,-1.1 2.2,1.1
HDR-TH_4P-P2.54-V-M [mm]
  rect 1.7x1.7 hole 1.1: 1(-3.81,0)
  round 1.7 hole 1.1: 2(-1.27,0) 3(1.27,0) 4(3.81,0)
  silkscreen extent -5.08,-1.27 5.08,1.27
IMPORTED_IMAGE [mil]
  silkscreen extent 0,-375 394,0
LED-SMD_4P-L1.0-W1.0-TL_XL-1010RGBC-WS2812B [mm]
  rect 0.45x0.45 smd: 1(-0.425,0.425) 2(0.425,0.425) 3(-0.425,-0.425) 4(0.425,-0.425)
  silkscreen extent -1.05,-0.85 1.27,0.85
LQFN-56_L7.0-W7.0-P0.4-EP [mm]
  rect 1.1x0.2 smd: 1(-3.55,2.6) 2(-3.55,2.2) 3(-3.55,1.8) 4(-3.55,1.4) 5(-3.55,1) 6(-3.55,0.6) 7(-3.55,0.2) 8(-3.55,-0.2) 9(-3.55,-0.6) 10(-3.55,-1) 11(-3.55,-1.4) 12(-3.55,-1.8) 13(-3.55,-2.2) 14(-3.55,-2.6) 29(3.55,-2.6) 30(3.55,-2.2) 31(3.55,-1.8) 32(3.55,-1.4) 33(3.55,-1) 34(3.55,-0.6) 35(3.55,-0.2) 36(3.55,0.2) 37(3.55,0.6) 38(3.55,1) 39(3.55,1.4) 40(3.55,1.8) 41(3.55,2.2) 42(3.55,2.6)
  rect 0.2x1.1 smd: 15(-2.6,-3.55) 16(-2.2,-3.55) 17(-1.8,-3.55) 18(-1.4,-3.55) 19(-1,-3.55) 20(-0.6,-3.55) 21(-0.2,-3.55) 22(0.2,-3.55) 23(0.6,-3.55) 24(1,-3.55) 25(1.4,-3.55) 26(1.8,-3.55) 27(2.2,-3.55) 28(2.6,-3.55) 43(2.6,3.55) 44(2.2,3.55) 45(1.8,3.55) 46(1.4,3.55) 47(1,3.55) 48(0.6,3.55) 49(0.2,3.55) 50(-0.2,3.55) 51(-0.6,3.55) 52(-1,3.55) 53(-1.4,3.55) 54(-1.8,3.55) 55(-2.2,3.55) 56(-2.6,3.55)
  rect 3.1x3.1 smd: 57(0,0)
  silkscreen extent -4.13,-3.5 3.5,3.83
OSC-SMD_4P-L3.2-W2.5-BL [mm]
  rect 1.4x1.2 smd: 1(-1.1,-0.875) 2(1.1,-0.875) 3(1.1,0.875) 4(-1.1,0.875)
  silkscreen extent -2.29,-1.9 2.03,1.65
R0402 [mm]
  rect 0.566x0.54 smd: 1(-0.433,0) 2(0.433,0)
  silkscreen extent -0.94,-0.5 0.94,0.5
R0603 [mil]
  rect 31.75x34.02 smd: 1(-29.66,0) 2(29.66,0)
  silkscreen extent -55,-26 55,26
SOIC-8_L5.3-W5.3-P1.27-LS8.0-BL [mm]
  oval 0.63x2.25 smd: 1(-1.905,-3.53) 2(-0.635,-3.53) 3(0.635,-3.53) 4(1.905,-3.53) 5(1.905,3.53) 6(0.635,3.53) 7(-0.635,3.53) 8(-1.905,3.53)
  silkscreen extent -2.82,-3.68 2.64,2.18
SOT-223-3_L6.5-W3.4-P2.30-LS7.0-BR [mm]
  rect 2.5x1.1 smd: 1(2.97,-2.3) 2(2.97,0) 3(2.97,2.3)
  rect 2.34x3.6 smd: 4(-2.97,0)
  silkscreen extent -1.57,-3.33 1.37,3.33
SW-SMD_KAILH-SOCKET_C9900019772 [mm]
  rect 1.95x2.4 smd: 1(-6.475,1.27) 2(6.475,-1.27)
  Board Outline Layer circle w0.005: c0.64,3.81 r2
  Board Outline Layer circle w0.005: c-3.17,1.27 r1.5
  Board Outline Layer circle w0.005: c3.18,-1.27 r1.5
  Board Outline Layer circle w0.254: c0.64,3.81 r2
  Board Outline Layer circle w0.254: c-3.17,1.27 r1.5
  Board Outline Layer circle w0.254: c3.18,-1.27 r1.5
  Multi-Layer board cut-out: 2.64,3.81 2.442,2.942 1.887,2.246 1.085,1.86 0.195,1.86 -0.607,2.246 -1.162,2.942 -1.36,3.81 -1.36,3.81 -1.162,4.678 -0.607,5.374 0.195,5.76 1.085,5.76 1.887,5.374 2.442,4.678 2.64,3.81
  Multi-Layer board cut-out: -1.67,1.27 -1.875,0.525 -2.423,-0.019 -3.17,-0.218 -3.916,-0.019 -4.465,0.525 -4.67,1.27 -4.67,1.27 -4.465,2.015 -3.916,2.559 -3.17,2.758 -2.423,2.559 -1.875,2.015 -1.67,1.27
  Multi-Layer board cut-out: 4.68,-1.27 4.475,-2.015 3.927,-2.559 3.18,-2.758 2.434,-2.559 1.885,-2.015 1.68,-1.27 1.68,-1.27 1.885,-0.525 2.434,0.019 3.18,0.218 3.927,0.019 4.475,-0.525 4.68,-1.27
  silkscreen extent -5.45,-2.95 5.45,2.95
SW-SMD_L3.9-W3.0-P4.45 [mm]
  rect 1.23x1.36 smd: 1(-2.185,0) 2(2.185,0)
  silkscreen extent -2.03,-1.62 2.25,1.62
USB-C-SMD_G-SWITCH_GT-USB-7010ASV [mm]
  oval 1x2.1 hole 0.6 slot 1.7 at 90 deg: 1(-4.32,1.78) 2(4.32,1.78)
  oval 1x1.8 hole 0.6 slot 1.4 at 90 deg: 3(4.32,-2.4) 4(-4.32,-2.4)
  rect 0.6x1.24 smd: A1B12(-3.2,2.4) A4B9(-2.4,2.4) B1A12(3.2,2.4) B4A9(2.4,2.4)
  rect 0.3x1.24 smd: A5(-1.25,2.4) A6(-0.25,2.4) A7(0.25,2.4) A8(1.25,2.4) B5(1.75,2.4) B6(0.75,2.4) B7(-0.75,2.4) B8(-1.75,2.4)
  Board Outline Layer circle w0.025: c2.89,1.28 r0.325
  Board Outline Layer circle w0.025: c-2.9,1.28 r0.325
  Board Outline Layer circle w0.254: c2.89,1.28 r0.325
  Board Outline Layer circle w0.254: c-2.9,1.28 r0.325
  Multi-Layer board cut-out: 2.565,1.28 2.597,1.139 2.687,1.026 2.818,0.963 2.962,0.963 3.093,1.026 3.183,1.139 3.215,1.28 3.215,1.28 3.183,1.421 3.093,1.534 2.962,1.597 2.818,1.597 2.687,1.534 2.597,1.421 2.565,1.28
  Multi-Layer board cut-out: -3.225,1.28 -3.193,1.139 -3.103,1.026 -2.972,0.963 -2.828,0.963 -2.697,1.026 -2.607,1.139 -2.575,1.28 -2.575,1.28 -2.607,1.421 -2.697,1.534 -2.828,1.597 -2.972,1.597 -3.103,1.534 -3.193,1.421 -3.225,1.28
  silkscreen extent -4.5,-1.32 4.5,0.69

## Via types
v1: diameter 19.68, hole 11.81, Top Layer to Bottom Layer, 300 vias
v2: diameter 24.02, hole 12.01, Top Layer to Bottom Layer, 202 vias

## Nets (pads, with @x,y where several pads share a name; then routed paths per layer and width w, separated by ;. In a path a pad name is that pad's centre, name@x,y a point inside that pad or via, vN(x,y) a via of type N, cw(c..) or ccw(c..) an arc to the next point about the centre after c; other vN are vias at no path point)
$1N10159: BOOTSEL.2 R16.1 | length 143.9
  Top Layer w5: BOOTSEL.2@3486.93,8545.51 3486.93,8573.57 R16.1@3568.86,8655.51
$1N11124: C19.1 R18.2 X1.3 | length 126.5
  Top Layer w5: R18.2@5165.9,8263.47 5206.48,8263.47 C19.1@5210.9,8259.05 5210.9,8246.06 X1.3@5277.6,8246.06
$1N13307: R13.1 U1.47 | length 440.6
  Top Layer w5: R13.1@4402.94,8760.51 4402.94,8772.55 4407.91,8777.52 4445.9,8777.52 cw(c4445.9,8774.01) 4449.41,8774.01 ccw(c4452.91,8774.01) 4452.91,8770.51 4455.9,8770.51 ccw(c4455.9,8774.01) 4459.41,8774.01 cw(c4462.91,8774.01) 4462.91,8777.52 4465.9,8777.52 cw(c4465.9,8774.01) 4469.41,8774.01 ccw(c4472.91,8774.01) 4472.91,8770.51 4475.9,8770.51 ccw(c4475.9,8774.01) 4479.41,8774.01 cw(c4482.91,8774.01) 4482.91,8777.52 4553.9,8777.52 4686.89,8644.53 4712.57,8644.53 U1.47@4744.92,8612.17
$1N13351: R14.1 U1.46 | length 435.6
  Top Layer w5: R14.1@4402.94,8805.51 4402.94,8793.47 4407.91,8788.5 4558.45,8788.5 4691.44,8655.51 4723.86,8655.51 U1.46@4756.06,8623.31
$1N33370: R15.2 RST.2 U1.26 | length 1759.5
  Top Layer w5: RST.2@3486.93,8755.51 3541.93,8700.51 R15.2@3568.86,8700.51 3570.91,8702.55 3570.91,8715.51 3585.91,8730.51 3610.91,8730.51 3655.91,8685.51 v2(3705.91,8685.51) ; U1.26@4964.84,8436.78 4995.9,8405.72 v2(4995.9,8405.51)
  Bottom Layer w5: v2(3705.91,8685.51) 3725.91,8685.51 3760.91,8720.51 4680.9,8720.51 v2(4995.9,8405.51)
$1N279591: R22.2 U4.A5 | length 57.7
  Top Layer w5: R22.2@3995.12,8568.34 U4.A5@3995.12,8626.02
$1N279593: R21.2 U4.B5 | length 58.9
  Top Layer w5: R21.2@3875.91,8567.55 3877.01,8568.65 U4.B5@3877.01,8626.02
$1N381195: D1.2 SW2.2 | length 2575.1
  Bottom Layer w5: SW2.2@3870.82,7855.51 4015.82,8000.51 5440.9,8000.51 5730.9,8290.51 5730.9,8722.18 5759.23,8750.51 D1.2@5822.32,8750.51
$1N381283: D7.2 SW3.2 | length 1191.2
  Bottom Layer w5: SW3.2@5370.82,7855.51 5445.9,7855.51 5835.9,8245.51 6055.9,8245.51 6105.9,8295.51 6105.9,8430.51 6135.91,8460.51 D7.2@6232.32,8460.51